# Altium PCB Temp Module B1 Sample.PcbDoc (part 1 of 3) (continued)
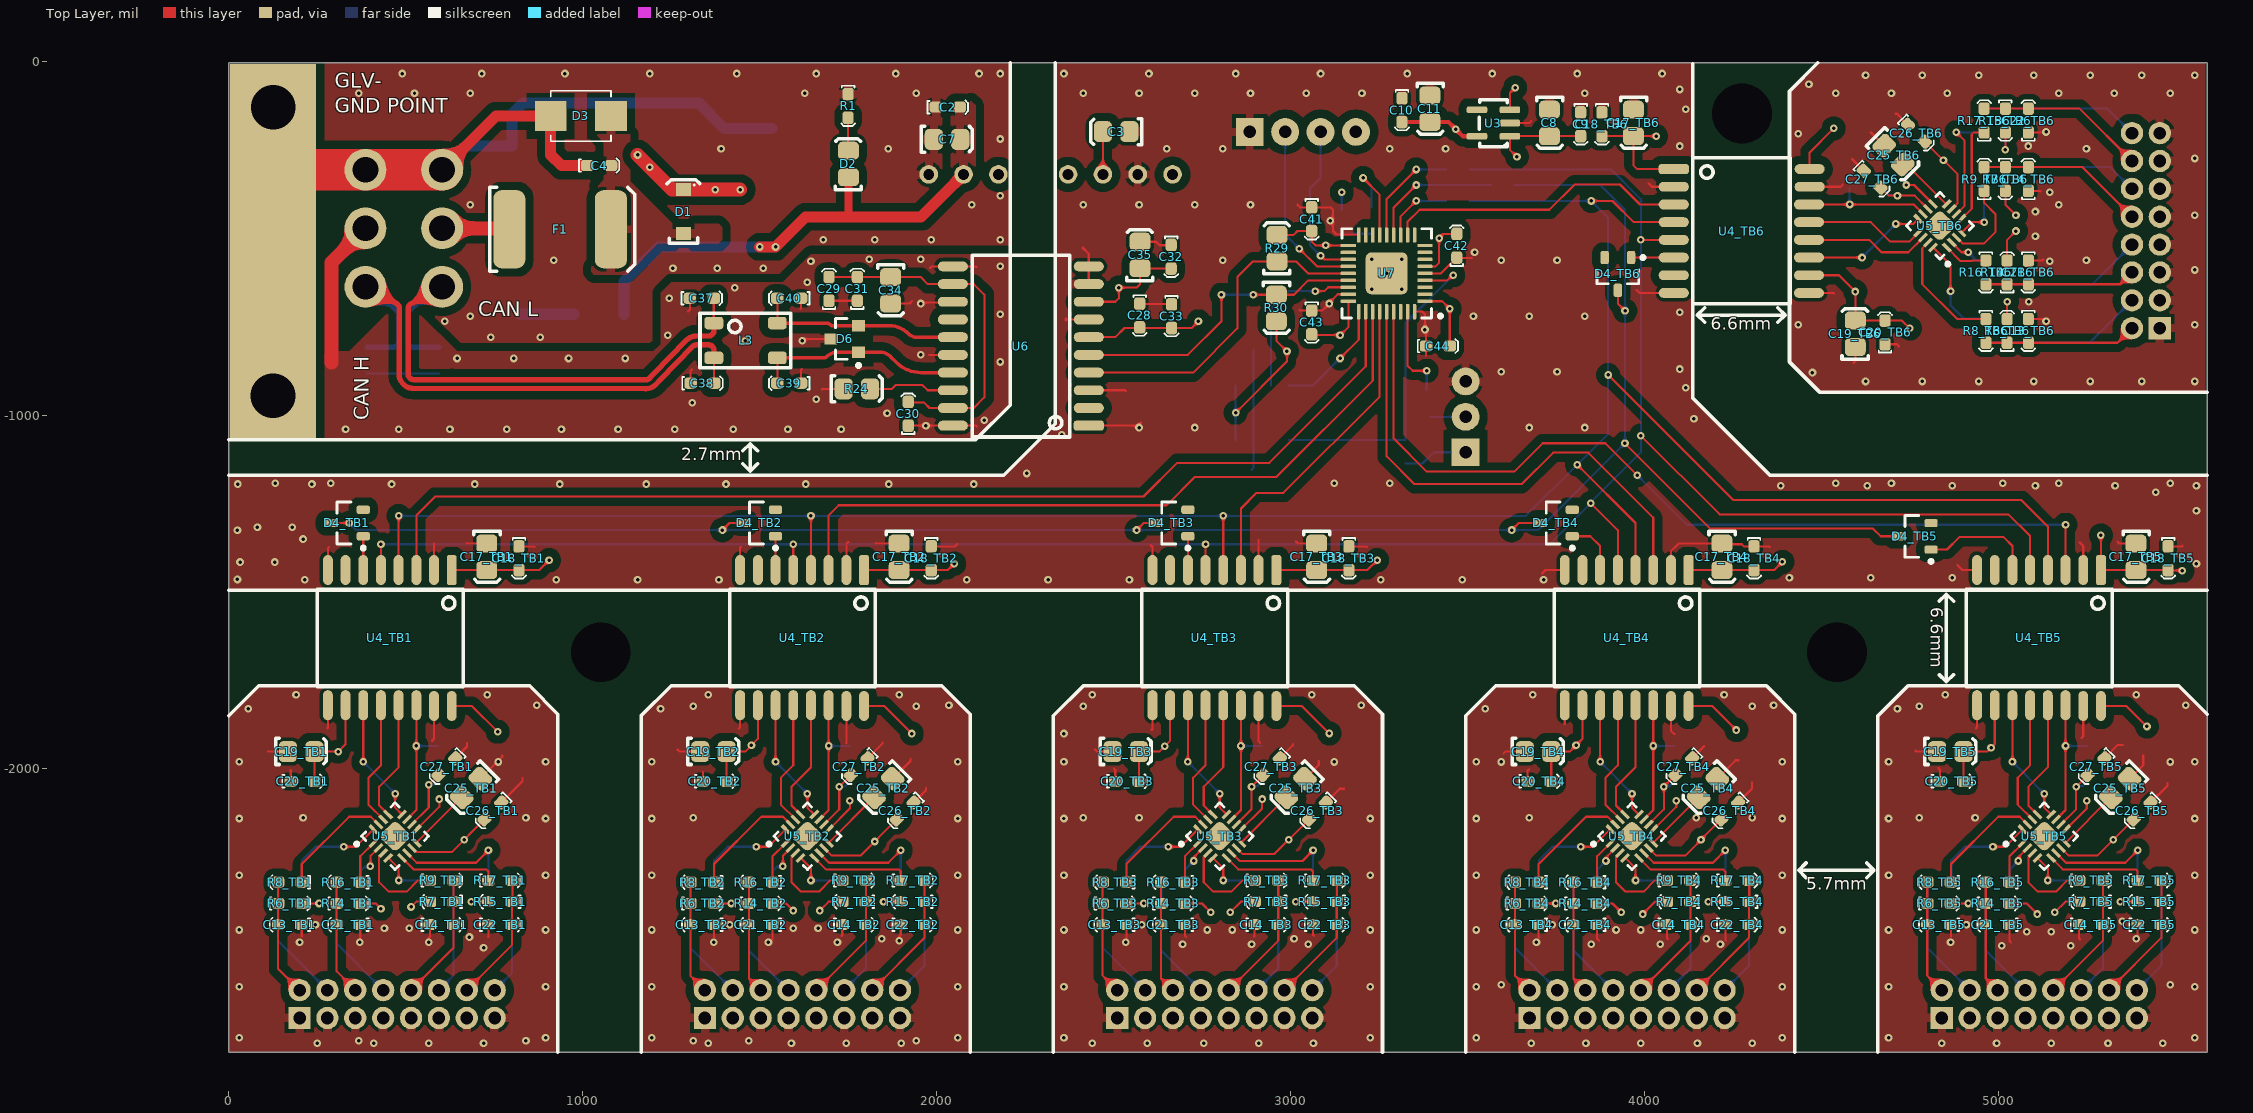
[diagram p0: Top Layer view]
## Components (designator, comment, footprint, x,y, rotation, side; value= is the part's Value field where it differs from the comment)
C1 "10uF" 0805 785,-715 r0 bottom
C2 "100nF" 0603 1998.07,-130 r0 top
C3 "22uF" 0805 2506.93,-200 r180 top
C4 "100nF" 0603 1013.07,-295 r0 top
C5 "100nF" 0603 1180,-118.07 r270 bottom
C6 "47uF" "CHEMI-CON ELCO" 1535,-294.33 r270 bottom
C7 "10uF" 0805 2030,-220 r0 top
C8 "1µF" 0805 3732.74,-175 r270 top
C9 "100nF" 0603 3820,-145 r270 top
C10 "100nF" 0603 3315,-105 r270 top
C11 "1µF" 0805 3395,-135 r270 top
C13_TB1 "100nF" 0603 206.22,-2440 r180 top (schematic designator C13)
C13_TB2 "100nF" 0603 1371.22,-2440 r180 top (schematic designator C13)
C13_TB3 "100nF" 0603 2536.22,-2440 r180 top (schematic designator C13)
C13_TB4 "100nF" 0603 3701.22,-2440 r180 top (schematic designator C13)
C13_TB5 "100nF" 0603 4866.22,-2440 r180 top (schematic designator C13)
C13_TB6 "100nF" 0603 5085,-728.78 r270 top (schematic designator C13)
C14_TB1 "100nF" 0603 568.43,-2440 r0 top (schematic designator C14)
C14_TB2 "100nF" 0603 1733.43,-2440 r0 top (schematic designator C14)
C14_TB3 "100nF" 0603 2898.43,-2440 r0 top (schematic designator C14)
C14_TB4 "100nF" 0603 4063.43,-2440 r0 top (schematic designator C14)
C14_TB5 "100nF" 0603 5228.43,-2440 r0 top (schematic designator C14)
C14_TB6 "100nF" 0603 5085,-366.57 r90 top (schematic designator C14)
C15_TB1 "100nF" 0603 206.22,-2440 r180 bottom (schematic designator C15)
C15_TB2 "100nF" 0603 1371.22,-2440 r180 bottom (schematic designator C15)
C15_TB3 "100nF" 0603 2536.22,-2440 r180 bottom (schematic designator C15)
C15_TB4 "100nF" 0603 3701.22,-2440 r180 bottom (schematic designator C15)
C15_TB5 "100nF" 0603 4866.22,-2440 r180 bottom (schematic designator C15)
C15_TB6 "100nF" 0603 5085,-728.78 r270 bottom (schematic designator C15)
C16_TB1 "100nF" 0603 568.43,-2440 r0 bottom (schematic designator C16)
C16_TB2 "100nF" 0603 1733.43,-2440 r0 bottom (schematic designator C16)
C16_TB3 "100nF" 0603 2898.43,-2440 r0 bottom (schematic designator C16)
C16_TB4 "100nF" 0603 4063.43,-2440 r0 bottom (schematic designator C16)
C16_TB5 "100nF" 0603 5228.43,-2440 r0 bottom (schematic designator C16)
C16_TB6 "100nF" 0603 5085,-366.57 r90 bottom (schematic designator C16)
C17_TB1 "1µF" 0805 730,-1401.05 r270 top (schematic designator C17)
C17_TB2 "1µF" 0805 1895,-1401.05 r270 top (schematic designator C17)
C17_TB3 "1µF" 0805 3075,-1401.05 r270 top (schematic designator C17)
C17_TB4 "1µF" 0805 4220,-1401.05 r270 top (schematic designator C17)
C17_TB5 "1µF" 0805 5390,-1401.05 r270 top (schematic designator C17)
C17_TB6 "1µF" 0805 3970,-175 r270 top (schematic designator C17)
C18_TB1 "100nF" 0603 820,-1371.05 r270 top (schematic designator C18)
C18_TB2 "100nF" 0603 1985,-1371.05 r270 top (schematic designator C18)
C18_TB3 "100nF" 0603 3165,-1371.05 r270 top (schematic designator C18)
C18_TB4 "100nF" 0603 4310,-1371.05 r270 top (schematic designator C18)
C18_TB5 "100nF" 0603 5480,-1371.05 r270 top (schematic designator C18)
C18_TB6 "100nF" 0603 3880,-145 r270 top (schematic designator C18)
C19_TB1 "1µF" 0805 205,-1950 r0 top (schematic designator C19)
C19_TB2 "1µF" 0805 1370,-1950 r0 top (schematic designator C19)
C19_TB3 "1µF" 0805 2535,-1950 r0 top (schematic designator C19)
C19_TB4 "1µF" 0805 3700,-1950 r0 top (schematic designator C19)
C19_TB5 "1µF" 0805 4865,-1950 r0 top (schematic designator C19)
C19_TB6 "1µF" 0805 4595,-770 r90 top (schematic designator C19)
C20_TB1 "100nF" 0603 175,-2035 r0 top (schematic designator C20)
C20_TB2 "100nF" 0603 1340,-2035 r0 top (schematic designator C20)
C20_TB3 "100nF" 0603 2505,-2035 r0 top (schematic designator C20)
C20_TB4 "100nF" 0603 3670,-2035 r0 top (schematic designator C20)
C20_TB5 "100nF" 0603 4835,-2035 r0 top (schematic designator C20)
C20_TB6 "100nF" 0603 4680,-800 r90 top (schematic designator C20)
C21_TB1 "100nF" 0603 371.57,-2440 r180 top (schematic designator C21)
C21_TB2 "100nF" 0603 1536.57,-2440 r180 top (schematic designator C21)
C21_TB3 "100nF" 0603 2701.57,-2440 r180 top (schematic designator C21)
C21_TB4 "100nF" 0603 3866.57,-2440 r180 top (schematic designator C21)
C21_TB5 "100nF" 0603 5031.57,-2440 r180 top (schematic designator C21)
C21_TB6 "100nF" 0603 5085,-563.43 r270 top (schematic designator C21)
C22_TB1 "100nF" 0603 733.78,-2440 r0 top (schematic designator C22)
C22_TB2 "100nF" 0603 1898.78,-2440 r0 top (schematic designator C22)
C22_TB3 "100nF" 0603 3063.78,-2440 r0 top (schematic designator C22)
C22_TB4 "100nF" 0603 4228.78,-2440 r0 top (schematic designator C22)
C22_TB5 "100nF" 0603 5393.78,-2440 r0 top (schematic designator C22)
C22_TB6 "100nF" 0603 5085,-201.22 r90 top (schematic designator C22)
C23_TB1 "100nF" 0603 371.57,-2440 r180 bottom (schematic designator C23)
C23_TB2 "100nF" 0603 1536.57,-2440 r180 bottom (schematic designator C23)
C23_TB3 "100nF" 0603 2701.57,-2440 r180 bottom (schematic designator C23)
C23_TB4 "100nF" 0603 3866.57,-2440 r180 bottom (schematic designator C23)
C23_TB5 "100nF" 0603 5031.57,-2440 r180 bottom (schematic designator C23)
C23_TB6 "100nF" 0603 5085,-563.43 r270 bottom (schematic designator C23)
C24_TB1 "100nF" 0603 733.78,-2440 r0 bottom (schematic designator C24)
C24_TB2 "100nF" 0603 1898.78,-2440 r0 bottom (schematic designator C24)
C24_TB3 "100nF" 0603 3063.78,-2440 r0 bottom (schematic designator C24)
C24_TB4 "100nF" 0603 4228.78,-2440 r0 bottom (schematic designator C24)
C24_TB5 "100nF" 0603 5393.78,-2440 r0 bottom (schematic designator C24)
C24_TB6 "100nF" 0603 5085,-201.22 r90 bottom (schematic designator C24)
C25_TB1 "1µF" 0805 685,-2055 r225 top (schematic designator C25)
C25_TB2 "1µF" 0805 1850,-2055 r225 top (schematic designator C25)
C25_TB3 "1µF" 0805 3015,-2055 r225 top (schematic designator C25)
C25_TB4 "1µF" 0805 4180,-2055 r225 top (schematic designator C25)
C25_TB5 "1µF" 0805 5345,-2055 r225 top (schematic designator C25)
C25_TB6 "1µF" 0805 4705,-265 r315 top (schematic designator C25)
C26_TB1 "100nF" 0603 770,-2095 r225 top (schematic designator C26)
C26_TB2 "100nF" 0603 1935,-2095 r225 top (schematic designator C26)
C26_TB3 "100nF" 0603 3100,-2095 r225 top (schematic designator C26)
C26_TB4 "100nF" 0603 4265,-2095 r225 top (schematic designator C26)
C26_TB5 "100nF" 0603 5430,-2095 r225 top (schematic designator C26)
C26_TB6 "100nF" 0603 4745,-180 r315 top (schematic designator C26)
C27_TB1 "100nF" 0603 640,-1970 r225 top (schematic designator C27)
C27_TB2 "100nF" 0603 1805,-1970 r225 top (schematic designator C27)
C27_TB3 "100nF" 0603 2970,-1970 r225 top (schematic designator C27)
C27_TB4 "100nF" 0603 4135,-1970 r225 top (schematic designator C27)
C27_TB5 "100nF" 0603 5300,-1970 r225 top (schematic designator C27)
C27_TB6 "100nF" 0603 4620,-310 r315 top (schematic designator C27)
C28 "10nF" 0603 2573.97,-685.2 r270 top
C29 "100nF" 0603 1696.03,-676.93 r90 top
C30 "10nF" 0603 1920,-1030 r90 top
C31 "100nF" 0603 1776.03,-676.93 r90 top
C32 "100nF" 0603 2662.9,-519.13 r270 top
C33 "100nF" 0603 2663.97,-687.13 r270 top
C34 "10uF" 0805 1871.03,-647.87 r270 top
C35 "10uF" 0805 2573.97,-547.13 r90 top
C36 "22pF" 0603 495,-949.8 r90 bottom
C37 "100pF" 0603 1303.07,-670 r0 top
C38 "100pF" 0603 1305,-910 r0 top
C39 "100pF" 0603 1616.93,-910 r180 top
C40 "100pF" 0603 1616.93,-670 r180 top
C41 "100nF" 0603 3060,-413.07 r270 top
C42 "100nF" 0603 3470,-555 r90 top
C43 "100nF" 0603 3060,-705 r270 top
C44 "100nF" 0603 3383.07,-805 r0 top
D1 "PMEG100T10ELR-QX" SODFL350X110-2N 1285,-425 r270 top
D2 "Red" "0805 LED" 1750,-290 r90 top
D3 "SM6T39CAY" SM6T39CAY-Footprint-1 994.76,-155 r0 top
D4_TB1 "BAS-21" NEXPERIA_SOT23 333.74,-1305 r180 top (schematic designator D4)
D4_TB2 "BAS-21" NEXPERIA_SOT23 1498.74,-1305 r180 top (schematic designator D4)
D4_TB3 "BAS-21" NEXPERIA_SOT23 2663.74,-1305 r180 top (schematic designator D4)
D4_TB4 "BAS-21" NEXPERIA_SOT23 3750,-1305 r180 top (schematic designator D4)
D4_TB5 "BAS-21" NEXPERIA_SOT23 4763.74,-1342.6 r180 top (schematic designator D4)
D4_TB6 "BAS-21" NEXPERIA_SOT23 3925,-601.26 r270 top (schematic designator D4)
D6 "NUP2105L" ONSC-SOT-23-3-318-08_V 1740,-785 r180 top
D7 "Yellow" "0805 LED" 3230,-450 r90 bottom
F1 "0ZCF0100AF2A" 2920 792.6,-475 r0 top
L1 "12uH" 1812 1045.87,-715 r180 bottom
L3 "B82787C0104H002" "TDK 4-PC Pad" 1370.87,-740 r0 top value="100µH @ 100kHz"
P1 "Header 2x8" B16B-PHDSS 200.04,-2703.74 r180 bottom
P2 "Header 2x8" B16B-PHDSS 1345.41,-2703.74 r180 bottom
P3 "6-Pin Molex Mini-Fit" "6-Pin Molex Mini-Fit" 480,-485 r270 bottom
P4 "Header 2x8" B16B-PHDSS 2510.41,-2703.74 r180 bottom
P5 "Header 2x8" B16B-PHDSS 3675.41,-2703.74 r180 bottom
P6 "Header 2x8" B16B-PHDSS 4840.41,-2703.74 r180 bottom
P7 "Header 2x8" B16B-PHDSS 5456.54,-754.59 r270 bottom
P8 "1.27mm" 3221-10-0300-00 2895,-993.23 r180 bottom
P9 "2.54mm" "TH 2.54mm Header 1x4" 2885,-200 r0 bottom locked
P10 "2.54mm" "TH 2.54mm Header 1x3" 3495,-1105 r90 bottom
R1 "2K" 0603 1750,-93.07 r270 top
R2 "10R" 0603 3438.98,-306.1 r0 bottom
R3 "10R" 0603 3565.94,-349.41 r0 bottom
R4 "10R" 0603 3438.98,-394.68 r0 bottom
R6_TB1 "680R" 0603 139.29,-2380 r0 top (schematic designator R6)
R6_TB2 "680R" 0603 1304.29,-2380 r0 top (schematic designator R6)
R6_TB3 "680R" 0603 2469.29,-2380 r0 top (schematic designator R6)
R6_TB4 "680R" 0603 3634.29,-2380 r0 top (schematic designator R6)
R6_TB5 "680R" 0603 4799.29,-2380 r0 top (schematic designator R6)
R6_TB6 "680R" 0603 5025,-795.71 r90 top (schematic designator R6)
R7_TB1 "680R" 0603 635.35,-2375 r180 top (schematic designator R7)
R7_TB2 "680R" 0603 1800.35,-2375 r180 top (schematic designator R7)
R7_TB3 "680R" 0603 2965.35,-2375 r180 top (schematic designator R7)
R7_TB4 "680R" 0603 4130.35,-2375 r180 top (schematic designator R7)
R7_TB5 "680R" 0603 5295.35,-2375 r180 top (schematic designator R7)
R7_TB6 "680R" 0603 5020,-299.65 r270 top (schematic designator R7)
R8_TB1 "1k" 0603 206.22,-2320 r180 top (schematic designator R8)
R8_TB2 "1k" 0603 1371.22,-2320 r180 top (schematic designator R8)
R8_TB3 "1k" 0603 2536.22,-2320 r180 top (schematic designator R8)
R8_TB4 "1k" 0603 3701.22,-2320 r180 top (schematic designator R8)
R8_TB5 "1k" 0603 4866.22,-2320 r180 top (schematic designator R8)
R8_TB6 "1k" 0603 4965,-728.78 r270 top (schematic designator R8)
R9_TB1 "1k" 0603 568.43,-2315 r0 top (schematic designator R9)
R9_TB2 "1k" 0603 1733.43,-2315 r0 top (schematic designator R9)
R9_TB3 "1k" 0603 2898.43,-2315 r0 top (schematic designator R9)
R9_TB4 "1k" 0603 4063.43,-2315 r0 top (schematic designator R9)
R9_TB5 "1k" 0603 5228.43,-2315 r0 top (schematic designator R9)
R9_TB6 "1k" 0603 4960,-366.57 r90 top (schematic designator R9)
R10_TB1 "680R" 0603 140,-2380 r0 bottom (schematic designator R10)
R10_TB2 "680R" 0603 1305,-2380 r0 bottom (schematic designator R10)
R10_TB3 "680R" 0603 2470,-2380 r0 bottom (schematic designator R10)
R10_TB4 "680R" 0603 3635,-2380 r0 bottom (schematic designator R10)
R10_TB5 "680R" 0603 4800,-2380 r0 bottom (schematic designator R10)
R10_TB6 "680R" 0603 5025,-795 r90 bottom (schematic designator R10)
R11_TB1 "680R" 0603 635.35,-2375 r180 bottom (schematic designator R11)
R11_TB2 "680R" 0603 1800.35,-2375 r180 bottom (schematic designator R11)
R11_TB3 "680R" 0603 2965.35,-2375 r180 bottom (schematic designator R11)
R11_TB4 "680R" 0603 4130.35,-2375 r180 bottom (schematic designator R11)
R11_TB5 "680R" 0603 5295.35,-2375 r180 bottom (schematic designator R11)
R11_TB6 "680R" 0603 5020,-299.65 r270 bottom (schematic designator R11)
R12_TB1 "1k" 0603 206.93,-2320 r180 bottom (schematic designator R12)
R12_TB2 "1k" 0603 1371.93,-2320 r180 bottom (schematic designator R12)
R12_TB3 "1k" 0603 2536.93,-2320 r180 bottom (schematic designator R12)
R12_TB4 "1k" 0603 3701.93,-2320 r180 bottom (schematic designator R12)
R12_TB5 "1k" 0603 4866.93,-2320 r180 bottom (schematic designator R12)
R12_TB6 "1k" 0603 4965,-728.07 r270 bottom (schematic designator R12)
R13_TB1 "1k" 0603 568.43,-2315 r0 bottom (schematic designator R13)
R13_TB2 "1k" 0603 1733.43,-2315 r0 bottom (schematic designator R13)
R13_TB3 "1k" 0603 2898.43,-2315 r0 bottom (schematic designator R13)
R13_TB4 "1k" 0603 4063.43,-2315 r0 bottom (schematic designator R13)
R13_TB5 "1k" 0603 5228.43,-2315 r0 bottom (schematic designator R13)
R13_TB6 "1k" 0603 4960,-366.57 r90 bottom (schematic designator R13)
R14_TB1 "680R" 0603 304.65,-2380 r0 top (schematic designator R14)
R14_TB2 "680R" 0603 1469.65,-2380 r0 top (schematic designator R14)
R14_TB3 "680R" 0603 2634.65,-2380 r0 top (schematic designator R14)
R14_TB4 "680R" 0603 3799.65,-2380 r0 top (schematic designator R14)
R14_TB5 "680R" 0603 4964.65,-2380 r0 top (schematic designator R14)
R14_TB6 "680R" 0603 5025,-630.35 r90 top (schematic designator R14)
R15_TB1 "680R" 0603 800.71,-2375 r180 top (schematic designator R15)
R15_TB2 "680R" 0603 1965.71,-2375 r180 top (schematic designator R15)
R15_TB3 "680R" 0603 3130.71,-2375 r180 top (schematic designator R15)
R15_TB4 "680R" 0603 4295.71,-2375 r180 top (schematic designator R15)
R15_TB5 "680R" 0603 5460.71,-2375 r180 top (schematic designator R15)
R15_TB6 "680R" 0603 5020,-134.29 r270 top (schematic designator R15)
R16_TB1 "1k" 0603 371.57,-2320 r180 top (schematic designator R16)
R16_TB2 "1k" 0603 1536.57,-2320 r180 top (schematic designator R16)
R16_TB3 "1k" 0603 2701.57,-2320 r180 top (schematic designator R16)
R16_TB4 "1k" 0603 3866.57,-2320 r180 top (schematic designator R16)
R16_TB5 "1k" 0603 5031.57,-2320 r180 top (schematic designator R16)
R16_TB6 "1k" 0603 4965,-563.43 r270 top (schematic designator R16)
R17_TB1 "1k" 0603 733.78,-2315 r0 top (schematic designator R17)
R17_TB2 "1k" 0603 1898.78,-2315 r0 top (schematic designator R17)
R17_TB3 "1k" 0603 3063.78,-2315 r0 top (schematic designator R17)
R17_TB4 "1k" 0603 4228.78,-2315 r0 top (schematic designator R17)
R17_TB5 "1k" 0603 5393.78,-2315 r0 top (schematic designator R17)
R17_TB6 "1k" 0603 4960,-201.22 r90 top (schematic designator R17)
R18_TB1 "680R" 0603 304.65,-2380 r0 bottom (schematic designator R18)
R18_TB2 "680R" 0603 1469.65,-2380 r0 bottom (schematic designator R18)
R18_TB3 "680R" 0603 2634.65,-2380 r0 bottom (schematic designator R18)
R18_TB4 "680R" 0603 3799.65,-2380 r0 bottom (schematic designator R18)
R18_TB5 "680R" 0603 4964.65,-2380 r0 bottom (schematic designator R18)
R18_TB6 "680R" 0603 5025,-630.35 r90 bottom (schematic designator R18)
R19_TB1 "680R" 0603 800.71,-2375 r180 bottom (schematic designator R19)
R19_TB2 "680R" 0603 1965.71,-2375 r180 bottom (schematic designator R19)
R19_TB3 "680R" 0603 3130.71,-2375 r180 bottom (schematic designator R19)
R19_TB4 "680R" 0603 4295.71,-2375 r180 bottom (schematic designator R19)
R19_TB5 "680R" 0603 5460.71,-2375 r180 bottom (schematic designator R19)
R19_TB6 "680R" 0603 5020,-134.29 r270 bottom (schematic designator R19)
R20_TB1 "1k" 0603 371.75,-2320.18 r180 bottom (schematic designator R20)
R20_TB2 "1k" 0603 1536.75,-2320.18 r180 bottom (schematic designator R20)
R20_TB3 "1k" 0603 2701.75,-2320.18 r180 bottom (schematic designator R20)
R20_TB4 "1k" 0603 3866.75,-2320.18 r180 bottom (schematic designator R20)
R20_TB5 "1k" 0603 5031.75,-2320.18 r180 bottom (schematic designator R20)
R20_TB6 "1k" 0603 4965.18,-563.25 r270 bottom (schematic designator R20)
R21_TB1 "1k" 0603 733.78,-2315 r0 bottom (schematic designator R21)
R21_TB2 "1k" 0603 1898.78,-2315 r0 bottom (schematic designator R21)
R21_TB3 "1k" 0603 3063.78,-2315 r0 bottom (schematic designator R21)
R21_TB4 "1k" 0603 4228.78,-2315 r0 bottom (schematic designator R21)
R21_TB5 "1k" 0603 5393.78,-2315 r0 bottom (schematic designator R21)
R21_TB6 "1k" 0603 4960,-201.22 r90 bottom (schematic designator R21)
R22_TB1 "1.2k" 0603 590,-1935 r270 bottom (schematic designator R22)
R22_TB2 "1.2k" 0603 1755,-1935 r270 bottom (schematic designator R22)
R22_TB3 "1.2k" 0603 2920,-1935 r270 bottom (schematic designator R22)
R22_TB4 "1.2k" 0603 4085,-1935 r270 bottom (schematic designator R22)
R22_TB5 "1.2k" 0603 5250,-1935 r270 bottom (schematic designator R22)
R22_TB6 "1.2k" 0603 4580,-360 r0 bottom (schematic designator R22)
R23 "56R" 0805 595,-845 r90 bottom
R24 "0R" 0805 1775,-925 r0 top
R25 "56R" 0805 390,-845.94 r270 bottom
R26 "500R" 0603 3145,-487.87 r90 bottom
R29 "5.1k" 0805 2961.03,-527.87 r90 top
R30 "5.1k" 0805 2961.03,-697.87 r270 top
R31 "10k" 0603 3325,-1070 r270 bottom
R32 "10k" 0603 3385,-1005 r90 bottom
U1 "744272121" "Wurth 4-PC Pad" 800.12,-540 r90 bottom value="120uH @ 100kHz"
U2 "SPBW06F-03" SPBW06F03 1977.87,-320 r0 bottom
U3 "TLV70033-Q1" "TI SOT-23-5" 3620,-212.4 r90 top
U4_TB1 "ADUM5401" "AD 16-SOIC" 405,-1630 r180 top (schematic designator U4)
U4_TB2 "ADUM5401" "AD 16-SOIC" 1570,-1630 r180 top (schematic designator U4)
U4_TB3 "ADUM5401" "AD 16-SOIC" 2735,-1630 r180 top (schematic designator U4)
U4_TB4 "ADUM5401" "AD 16-SOIC" 3900,-1630 r180 top (schematic designator U4)
U4_TB5 "ADUM5401" "AD 16-SOIC" 5065,-1630 r180 top (schematic designator U4)
U4_TB6 "ADUM5401" "AD 16-SOIC" 4275,-530 r270 top (schematic designator U4)
U5_TB1 "ADS7028" WFQN-16 470,-2190 r45 top (schematic designator U5)
U5_TB2 "ADS7028" WFQN-16 1635,-2190 r45 top (schematic designator U5)
U5_TB3 "ADS7028" WFQN-16 2800,-2190 r45 top (schematic designator U5)
U5_TB4 "ADS7028" WFQN-16 3965,-2190 r45 top (schematic designator U5)
U5_TB5 "ADS7028" WFQN-16 5130,-2190 r45 top (schematic designator U5)
U5_TB6 "ADS7028" WFQN-16 4835,-465 r135 top (schematic designator U5)
U6 "ADM3053" "AD SOIC-W 20" 2237.98,-805 r90 top
U7 "STM32F103T8U6" STM_QFN-36 3271.73,-599.69 r180 top

## Footprints (in the part's own frame and the unit in brackets; to place one, negate y for a bottom-side part, rotate by r counter-clockwise, add the part's x,y. Pads: shape width x height; smd on the part's side, far side on the other; paste and mask are expansions set on the pad)
"6-Pin Molex Mini-Fit" [mm] "6-Pin Molex Mini-Fit Connector Header 6 pin mini fit"
  round 3 hole 1.85: 1(3.881,-3.119) 2(-0.319,-3.119) 3(-4.519,-3.119) 4(3.881,2.381) 5(-0.319,2.381) 6(-4.519,2.381)
  body extent -7.59,-5.42 7.01,5.58, height 12.8
0603 [mm]
  rrect50% 0.9x0.8 smd: 1(0,0) 2(1.7,0)
  silkscreen extent -0.6,-0.5 2.3,0.5, body extent 0.05,-0.42 1.65,0.43, height 0.6
0805 [mil]
  rrect50% 51.18x59.06 smd: 1(-37.87,-1.03) 2(36.93,-1.03)
  silkscreen extent -73,-37 71,37, body extent -39,-26 39,26, height 29
"0805 LED" [mil]
  rrect50% 51.18x59.06 smd: A(-37.87,-1.03) K(36.93,-1.03)
  silkscreen extent -73,-37 71,37, body extent -43,-25 36,25, height 39
1812 [mm]
  rrect50% 2.2x3.5 smd: 1(-1.8,0) 2(1.8,0)
  silkscreen extent -3.25,-1.75 3.25,1.75, body extent -2.25,-1.6 2.25,1.6, height 2.5
2920 [mm]
  rrect50% 2.3x5.6 smd: 1(0,0) 2(7.3,0)
  silkscreen extent -1.4,-3 9,3, body extent -0.34,-2.81 7.64,2.81, height 1.14
3221-10-0300-00 [mm]
  rrect50% 0.76x3 smd: 1(-2.54,-1.95) 2(-2.54,1.95) 3(-1.27,-1.95) 4(-1.27,1.95) 6(0,1.95) 7(1.27,-1.95) 8(1.27,1.95) 9(2.54,-1.95) 10(2.54,1.95)
  rect 0.76x2.4 smd: 5(0,-1.95)
  silkscreen extent -6.35,-3.6 6.35,2.55, body extent -6.34,-2.8 6.36,2.8, height 5.25
"AD 16-SOIC" [mil]
  rrect50% 28x85 smd: 1(-225,-192.02)
  oval 28x85 smd: 2(-175,-192.02) 3(-125,-192.02) 4(-75,-192.02) 5(-25,-192.02) 6(25,-192.02) 7(75,-192.02) 8(125,-192.02) 9(125,190) 10(75,189.96) 11(25,189.96) 12(-25,189.96) 13(-75,189.96) 14(-125,189.96) 15(-175,191.98) 16(-225,191.98)
  silkscreen extent -257,-138 155,138, body extent -256,-209 156,209, height 104
"AD SOIC-W 20" [mil]
  rrect50% 28x85 smd: 1(-225,-192.02)
  oval 28x85 smd: 2(-175,-192.02) 3(-125,-192.02) 4(-75,-192.02) 5(-25,-192.02) 6(25,-192.02) 7(75,-192.02) 8(125,-192.02) 9(175,-192.02) 10(225,-192.02) 11(225,192.02) 12(175,191.98) 13(125,191.98) 14(75,191.98) 15(25,191.98) 16(-25,191.98) 17(-75,191.98) 18(-125,191.98) 19(-175,191.98) 20(-225,191.98)
  silkscreen extent -257,-138 256,138, body extent -260,-210 260,210, height 105
B16B-PHDSS [mm]
  rect 1.35x1.35 / inner round 1.35 / far side rect 1.6x1.6 hole 0.9: 1(0,0)
  round 1.35 / inner round 1.35 / far side round 1.6 hole 0.9: 2(0,2) 3(-2,0) 4(-2,2) 5(-4,0) 6(-4,2) 7(-6,0) 8(-6,2) 9(-8,0) 10(-8,2) 11(-10,0) 12(-10,2) 13(-12,0) 14(-12,2) 15(-14,0) 16(-14,2)
  silkscreen extent -15.95,-1.5 1.95,3.5, body extent -15.95,-1.5 1.95,3.5, height 6.5
"CHEMI-CON ELCO" [mm]
  rect 3.55x1.85 smd: 1(-2.65,0) 2(2.65,0)
  silkscreen extent -4.43,-3.3 3.3,3.3, body extent -3.7,-3.4 3.7,3.4, height 6.1
NEXPERIA_SOT23 [mm]
  rrect50% 0.95x0.6 smd: 2(-1.175,-0.95) A(-1.175,0.95) K(1.175,0)
  silkscreen extent -1.3,-1.5 0.7,1.92, body extent -1.33,-1.5 1.33,1.5, height 1.1
ONSC-SOT-23-3-318-08_V [mm] "SOT23, 3-Leads, Body 2.92x1.3mm, Pitch 0.95mm"
  rect 0.9x0.8 smd: 1(-1,0.95) 2(-1,-0.95) 3(1,0)
  silkscreen extent -1.13,-1.46 0.65,2.02, body extent -0.65,-1.46 0.65,1.46, height 1.11
SM6T39CAY-Footprint-1 [mm]
  rect 2.28x2.12 smd: A(2.165,0) K(-2.165,0)
  silkscreen extent -2.16,-1.81 2.16,1.81, body extent -2.79,-1.98 2.79,1.98, height 2.64
SODFL350X110-2N [mm] "SODFL, 2-Leads, Body 1.70x3.50mm, IPC Medium Density"
  rect 0.95x1.1 smd: A(1.575,0) K(-1.575,0)
  silkscreen extent -2.29,-1.19 2.28,1.18, body extent -1.75,-0.95 1.75,0.95, height 1.1
SPBW06F03 [mm]
  round 1.337 hole 0.78: 1(0,0) 2(2.5,0) 3(5,0) 5(10,0) 6(12.5,0) 7(15,0) 8(17.5,0)
  silkscreen extent -2,-5.7 19.8,5.05, body extent -2,-5.7 19.8,3.5, height 11.2
STM_QFN-36 [mm]
  rrect50% 1.1x0.25 smd: 1(-2.75,2) 2(-2.75,1.5) 3(-2.75,1) 4(-2.75,0.5) 5(-2.75,0) 6(-2.75,-0.5) 7(-2.75,-1) 8(-2.75,-1.5) 9(-2.75,-2) 19(2.75,-2) 20(2.75,-1.5) 21(2.75,-1) 22(2.75,-0.5) 23(2.75,0) 24(2.75,0.5) 25(2.75,1) 26(2.75,1.5) 27(2.75,2)
  rrect50% 0.25x1.1 smd: 10(-2,-2.75) 11(-1.5,-2.75) 12(-1,-2.75) 13(-0.5,-2.75) 14(0,-2.75) 15(0.5,-2.75) 16(1,-2.75) 17(1.5,-2.75) 18(2,-2.75) 28(2,2.75) 29(1.5,2.75) 30(1,2.75) 31(0.5,2.75) 32(0,2.75) 33(-0.5,2.75) 34(-1,2.75) 35(-1.5,2.75) 36(-2,2.75)
  rrect25% 3x3 smd: 37(0,0)
  silkscreen extent -3.99,-3.21 3.21,3.21, body extent -3.08,-3.08 3.08,3.08, height 1
"TDK 4-PC Pad" [mm]
  rrect50% 1.35x0.9 smd: 1(0,-2.5) 2(0,0) 3(4.55,0) 4(4.55,-2.5)
  silkscreen extent -1,-3.2 5.5,0.7, body extent -0.02,-2.82 4.48,0.38, height 2.8
"TH 2.54mm Header 1x3" [mm]
  rect 1.5x1.5 / inner rect 1.5x1.5 / far side rect 2x2 hole 0.9: 1(0,0)
  round 1.5 / inner round 1.5 / far side round 2 hole 0.9: 2(2.54,0) 3(5.08,0)
  silkscreen extent -1.27,-1.27 6.35,1.27, body extent -1.27,-1.27 6.35,1.27, height 9.5
"TH 2.54mm Header 1x4" [mm]
  rect 1.5x1.5 / inner rect 1.5x1.5 / far side rect 2x2 hole 0.9: 1(0,0)
  round 1.5 / inner round 1.5 / far side round 2 hole 0.9: 2(2.54,0) 3(5.08,0) 4(7.62,0)
  silkscreen extent -1.27,-1.27 8.89,1.27, body extent -1.27,-1.27 8.89,1.27, height 9.5
"TI SOT-23-5" [mil]
  rrect50% 19x58 smd: 1(0,0) 2(37.4,0) 3(74.8,0) 4(74.8,93) 5(0,93)
  silkscreen extent -30,8 103,86, body extent -23,-12 97,106, height 57
WFQN-16 [mm]
  rect 0.8x0.25 smd: 1(-1.45,0.75) 2(-1.45,0.25) 3(-1.45,-0.25) 4(-1.45,-0.75) 9(1.45,-0.75) 10(1.45,-0.25) 11(1.45,0.25) 12(1.45,0.75)
  rect 0.25x0.8 smd: 5(-0.75,-1.45) 6(-0.25,-1.45) 7(0.25,-1.45) 8(0.75,-1.45) 13(0.75,1.45) 14(0.25,1.45) 15(-0.25,1.45) 16(-0.75,1.45)
  rrect50% 1.68x1.68 smd: 17(0,0)
  silkscreen extent -2.47,-1.7 1.7,1.7, body extent -1.6,-1.6 1.6,1.6, height 0.8
"Wurth 4-PC Pad" [mm]
  rrect50% 2.7x2.7 smd: 1(7.62,6.22) 2(0,6.22) 3(0,0) 4(7.62,0)
  silkscreen extent -1.7,-1.8 9.4,8, body extent -1.19,-1.24 8.81,7.46, height 6.2

## Part data
C1 C7 C34 C35: library part GRM21BR6YA106KE43L, Digikey Part Number=490-10514-6-ND, Manufacturer=muRata, Rated Voltage=50V, Temperature Rating=X5R, Tolerance=10%, Material=MLCC, Part Number=GRM21BR6YA106KE43L
C2 C4 C5 C9 C10 C13_TB1 C13_TB2 C13_TB3 C13_TB4 C13_TB5 C13_TB6 C14_TB1 C14_TB2 C14_TB3 C14_TB4 C14_TB5 C14_TB6 C15_TB1 C15_TB2 C15_TB3 C15_TB4 C15_TB5 C15_TB6 C16_TB1 C16_TB2 C16_TB3 C16_TB4 C16_TB5 C16_TB6 C18_TB1 C18_TB2 C18_TB3 C18_TB4 C18_TB5 C18_TB6 C20_TB1 C20_TB2 C20_TB3 C20_TB4 C20_TB5 C20_TB6 C21_TB1 C21_TB2 C21_TB3 C21_TB4 C21_TB5 C21_TB6 C22_TB1 C22_TB2 C22_TB3 C22_TB4 C22_TB5 C22_TB6 C23_TB1 C23_TB2 C23_TB3 C23_TB4 C23_TB5 C23_TB6 C24_TB1 C24_TB2 C24_TB3 C24_TB4 C24_TB5 C24_TB6 C26_TB1 C26_TB2 C26_TB3 C26_TB4 C26_TB5 C26_TB6 C27_TB1 C27_TB2 C27_TB3 C27_TB4 C27_TB5 C27_TB6 C29 C31 C32 C33 C41 C42 C43 C44: library part GCM188L81H104KA57D, Digikey Part Number=490-6049-1-ND, Manufacturer=muRata, Rated Voltage=50V, Temperature Rating=X8L, Tolerance=±10%, Material=MLCC, Part Number=GCM188L81H104KA57D
C3: library part GRM21BR61A226ME51L, Digikey Part Number=490-10511-1-ND, Manufacturer=muRata, Rated Voltage=10V, Temperature Rating=X5R, Tolerance=20%, Material=MLCC, Part Number=GRM21BR61A226ME51L
C6: library part HHXA350ARA470MF61G, Part Number=HHXA350ARA470MF61G
C8 C11 C17_TB1 C17_TB2 C17_TB3 C17_TB4 C17_TB5 C17_TB6 C19_TB1 C19_TB2 C19_TB3 C19_TB4 C19_TB5 C19_TB6 C25_TB1 C25_TB2 C25_TB3 C25_TB4 C25_TB5 C25_TB6: library part GCM21BR71H105KA03L, Digikey Part Number=490-10675-1-ND, Manufacturer=muRata, Rated Voltage=50V, Temperature Rating=X7R, Tolerance=±10%, Material=MLCC, Part Number=GCM21BR71H105KA03L
C28 C30: library part GCM188L81H103KA03D, Digikey Part Number=490-GCM188L81H103KA03DCT-ND, Manufacturer=muRata, Rated Voltage=50V, Temperature Rating=X8L, Tolerance=±10%, Material=MLCC, Part Number=GCM188L81H103KA03D
C36: library part GRM0335C1H220JA01D, Digikey Part Number=490-6123-1-ND, Manufacturer="Murata Electronics", Rated Voltage=50V, Temperature Rating="C0G, NP0", Tolerance=±5%, Material=MLCC, Part Number=GRM0335C1H220JA01D
C37 C38 C39 C40: library part GRM1885C1H101JA01D, Digikey Part Number=490-1427-1-ND, Manufacturer="Murata Electronics", Rated Voltage=50V, Temperature Rating="C0G, NP0", Tolerance=±5%, Material=MLCC, Part Number=GRM1885C1H101JA01D
D1: library part CMP-004-00005-4, "Diode 100 V 1A Surface Mount SOD-123W"
D2: library part SML-210LTT86, "Red LED Indication - Discrete 1.75V 0805 (2012 Metric)", Digikey Part Number=511-1286-1-ND, Manufacturer="ROHM Semiconductor", Colour=Red, Part Number=SML-210LTT86
D3: library part CMP-004-00003-4, "TVS Diode Single Bi-Dir 33.3V 600W Automotive 2-Pin SMB T/R / TVS DIODE 33.3VWM 69.7VC SMB", Breakdown Voltage=39V, Case/Package=DO-214AA, Clamping Voltage=53.9V, Leakage Current=200nA, Max Breakdown Voltage=41V, Max Operating Temperature=150°C, Max Power Dissipation=600W, Max Surge Current=11.1A, Min Breakdown Voltage=37.1V, Min Operating Temperature=-55°C, Operating Supply Voltage=30V, Package Quantity=1, Peak Pulse Current=57A, Power Line Protection=No, Resistor Type=Zener, Reverse Standoff Voltage=33.3V, Test Current=1mA, Diode Type=ZENER, Direction=Bidirectional, Element Configuration=Single, Height=2.45mm, Length=4.6mm, Max Reverse Leakage Current=200nA, Mount="Surface Mount", Number of Bidirectional Channels=1, Number of Channels=1, Number of Elements=1, Number of Pins=2, Packaging="Tape and Reel", Peak Pulse Power=600W, Polarity=Bidirectional, Radiation Hardening=No, REACH SVHC="No SVHC", Reverse Breakdown Voltage=37.1V, RoHS Compliant=Yes, Series="Automotive, AEC-Q101, SM6TY, TRANSIL™", Termination=SMD/SMT, Width=3.95mm
D4_TB1 D4_TB2 D4_TB3 D4_TB4 D4_TB5 D4_TB6: Breakdown Voltage=250V, Forward Voltage=1.0V, Manufacturer="Nexperia USA Inc.", Rated Power=250mW, Part Number=BAS-21
D6: library part CMP-004-00000-1, "NUP2105L Series 350 W Dual Line CAN Bus Protector ESD Protection Diode - SOT-23", Breakdown Voltage=26.2V, Capacitance=30pF, Case/Package=SOT-23-3, Clamping Voltage=44V, Leakage Current=100nA, Max Breakdown Voltage=32V, Max Operating Temperature=150°C, Max Power Dissipation=350W, Max Surge Current=8A, Min Operating Temperature=-55°C, Operating Supply Voltage=24V, Package Quantity=1, Power Line Protection=No, Resistor Type=Zener, Test Current=1mA, Clamping Voltage-Max=44V, Contact Plating=Tin,Matte, Depth=1.3mm, Diode Type=ZENER, Direction=Bidirectional, Element Configuration=Dual, ESD Protection=Yes, Halogen Free="Halogen Free", Height=0.94mm, Lead Free="Lead Free", Length=2.9mm, Max Reverse Leakage Current=100nA, Min Breakdown Voltage=26.2V, Number of Bidirectional Channels=2, Number of Channels=2, Number of Lines=2, Number of Pins=3, Packaging="Tape and Reel", Peak Pulse Current=8A, Peak Pulse Power=350W, Polarity=Bidirectional, Radiation Hardening=No, REACH SVHC="No SVHC", Reverse Standoff Voltage=24V, RoHS Compliant=Yes, Series="Automotive, AEC-Q101", Termination=SMD/SMT, Width=1.3mm, Working Voltage=24V
D7: library part SML-211YTT86, "Yellow LED Indication - Discrete 1.75V 0805 (2012 Metric)", Digikey Part Number=511-1293-1-ND, Manufacturer="ROHM Semiconductor", Colour=Yellow, Part Number=SML-211YTT86
F1: "PTC RESET FUSE 60V 1A 292", Digikey Part Number=507-2070-1-ND, Manufacturer="Littelfuse Inc.", Digikey Link=https://www.digikey.com/product-detail/en/bel-fuse-inc/0ZCF0100AF2A/507-2070-1-ND/6210547, Part Number=0ZCF0100AF2A
L1: library part RLS-126, Digikey Part Number=945-3429-ND, Manufacturer=Recom, Rated Current="0.8 A", Tolerance=0.2, Impedance=230mOhm, Material=Wirewound, Part Number=RLS-126
L3: Digikey Part Number=495-4598-1-ND, Manufacturer="EPCOS (TDK)", Rated Current=150mA, Impedance="5.8 kOhms @ 10MHz", Material=Wirewound, Part Number=B82787C0104H002
P1 P2 P4 P5 P6 P7: library part B16B-PHDSS, Angle=0, Contact=Tin, Flange=No, Part Number=B16B-PHDSS, Pitch=2.00mm, Positions=16, Row Spacing=2.00mm
P3: library part CMP-CONN-0004-1, "6-Pin Molex Mini-Fit Connector Header 6 pin mini fit"
P8: library part "SMD 1.27mm Header 2x5 (3221-10-0300-00)", Angle=0, Contact=NA, Flange=No, Part Number="SMD 1.27mm Header 2x5 (3221-10-0300-00)", Pitch=1.27mm, Positions=10, Row Spacing=1.27mm
P9: library part "TH 2.54mm Header 1x4", Angle=0, Contact=NA, Flange=No, Part Number="TH 2.54mm Header 1x4", Pitch=2.54mm, Positions=4, Row Spacing=2.54mm
P10: library part "TH 2.54mm Header 1x3", Angle=0, Contact=NA, Flange=No, Part Number="TH 2.54mm Header 1x3", Pitch=2.54mm, Positions=3, Row Spacing=2.54mm
R1: library part RC0603FR-072KL, Digikey Part Number=311-2.00KHRCT-ND, Manufacturer=YAGEO, Rated Power=0.1W, Tolerance=0.01, Material=FR-07, Part Number=RC0603FR-072KL
R2 R3 R4: library part RC0603FR-0710RL, Digikey Part Number=311-10.0HRCT-ND, Manufacturer=YAGEO, Rated Power=0.1W, Tolerance=0.01, Material=FR-07, Part Number=RC0603FR-0710RL
R6_TB1 R6_TB2 R6_TB3 R6_TB4 R6_TB5 R6_TB6 R7_TB1 R7_TB2 R7_TB3 R7_TB4 R7_TB5 R7_TB6 R10_TB1 R10_TB2 R10_TB3 R10_TB4 R10_TB5 R10_TB6 R11_TB1 R11_TB2 R11_TB3 R11_TB4 R11_TB5 R11_TB6 R14_TB1 R14_TB2 R14_TB3 R14_TB4 R14_TB5 R14_TB6 R15_TB1 R15_TB2 R15_TB3 R15_TB4 R15_TB5 R15_TB6 R18_TB1 R18_TB2 R18_TB3 R18_TB4 R18_TB5 R18_TB6 R19_TB1 R19_TB2 R19_TB3 R19_TB4 R19_TB5 R19_TB6: library part RC0603JR-13680RL, Digikey Part Number=13-RC0603JR-13680RLCT-ND, Manufacturer=YAGEO, Rated Power=0.1W, Tolerance=0.01, Material=FR-07, Part Number=RC0603JR-13680RL
R8_TB1 R8_TB2 R8_TB3 R8_TB4 R8_TB5 R8_TB6 R9_TB1 R9_TB2 R9_TB3 R9_TB4 R9_TB5 R9_TB6 R12_TB1 R12_TB2 R12_TB3 R12_TB4 R12_TB5 R12_TB6 R13_TB1 R13_TB2 R13_TB3 R13_TB4 R13_TB5 R13_TB6 R16_TB1 R16_TB2 R16_TB3 R16_TB4 R16_TB5 R16_TB6 R17_TB1 R17_TB2 R17_TB3 R17_TB4 R17_TB5 R17_TB6 R20_TB1 R20_TB2 R20_TB3 R20_TB4 R20_TB5 R20_TB6 R21_TB1 R21_TB2 R21_TB3 R21_TB4 R21_TB5 R21_TB6: library part RC0603FR-071KL, Digikey Part Number=311-1.00KHRCT-ND, Manufacturer=YAGEO, Rated Power=0.1W, Tolerance=0.01, Material=FR-07, Part Number=RC0603FR-071KL
R22_TB1 R22_TB2 R22_TB3 R22_TB4 R22_TB5 R22_TB6: library part RC0603JR-071K2L, Digikey Part Number=311-1.2KGRCT-ND, Manufacturer=YAGEO, Rated Power=0.1W, Tolerance=0.01, Material=FR-07, Part Number=RC0603JR-071K2L
R23 R25: library part RC0805FR0756RL, Digikey Part Number=311-56.0CRCT-ND, Manufacturer=YAGEO, Rated Power=0.125W, Tolerance=0.01, Material=FR-07, Part Number=RC0805FR0756RL
R24: library part RC0805FR070RL, Digikey Part Number=311-0.0CRCT-ND, Manufacturer=YAGEO, Rated Power=0.125W, Tolerance=0.01, Material=FR-07, Part Number=RC0805FR070RL
R26: library part RT0603BRD07500RL, Digikey Part Number=13-RT0603BRD07500RL-ND, Manufacturer=YAGEO, Rated Power=0.1W, Tolerance=0.01, Material=FR-07, Part Number=RT0603BRD07500RL
R29 R30: library part RC0805FR075K1L, Digikey Part Number=311-5.10KCRCT-ND, Manufacturer=YAGEO, Rated Power=0.125W, Tolerance=0.01, Material=FR-07, Part Number=RC0805FR075K1L
R31 R32: library part RC0603FR-0710KL, Digikey Part Number=311-10.0KHRCT-ND, Manufacturer=YAGEO, Rated Power=0.1W, Tolerance=0.01, Material=FR-07, Part Number=RC0603FR-0710KL
U1: Digikey Part Number=732-1489-1-ND, Manufacturer="Wurth Electronics Inc", Rated Current="2.5 A", Impedance="460 Ohms @ 30MHz", Material=Wirewound, Part Number=744272121
U2: "Power Supply", Manufacturer_Name="Mean Well", Mouser Part Number=709-SPBW06F-03, Arrow Part Number=SPBW06F-03, Arrow Price/Stock=https://www.arrow.com/en/products/spbw06f-03/mean-well-enterprises?region=nac, Datasheet Link=https://www.arrow.com/en/products/spbw06f-03/mean-well-enterprises, Height=11.1mm, Manufacturer_Part_Number=SPBW06F-03, Mouser Price/Stock=https://www.mouser.co.uk/ProductDetail/MEAN-WELL/SPBW06F-03?qs=5aG0NVq1C4z4PI70qr7ycg%3D%3D
U3: "IC REG LINEAR 3.3V 200MA SOT23-5", Digikey Part Number=296-27780-1-ND, Input Voltage="2 to 5.5 V", Manufacturer="Texas Instruments", Output Current="0.2 A", Output Voltage="3.3 V", Part Number=TLV70033-Q1
U4_TB1 U4_TB2 U4_TB3 U4_TB4 U4_TB5 U4_TB6: "Quad Channel 2.5kV Digital Isolator with isoPower", Manufacturer="Analogue Devices", Part Number=ADUM5401
U5_TB1 U5_TB2 U5_TB3 U5_TB4 U5_TB5 U5_TB6: library part ADS7028IRTER, "IC ADC 12BIT SAR 16WQFN", Manufacturer="Texas Instruments", Digikey Link=https://www.digikey.com.au/en/products/detail/texas-instruments/ADS7028IRTER/12696020?s=N4IgTCBcDaIIIBEDKB2ADGAHASQEoBUBRXEAXQF8g, Digikey Part Number=ADS7028IRTER, Part Number=ADS7028IRTER
U6: "Isolated CAN Transceiver", Digikey Part Number=ADM3053BRWZ-ND, Manufacturer="Analogue Devices", Digikey Link=https://www.digikey.com/product-detail/en/analog-devices-inc/ADM3053BRWZ/ADM3053BRWZ-ND/2709332, Part Number=ADM3053
U7: "ARM® Cortex®-M3 STM32F1 Microcontroller IC 32-Bit 72MHz 64KB (64K x 8) FLASH QFN", Manufacturer="ST Microelectronics", Digikey Link=https://www.digikey.com/en/products/detail/stmicroelectronics/stm32f103t8u6/1852493, Digikey Part Number=STM32F103T8U6, Part Number=STM32F103T8U6

## Free pads (board coordinates)
  round 0 hole 169.29 unplated: 1(1051.18,-1670.28) 1(4275.59,-147.64) 1(4544.29,-1670.28)
  rect 244.09x1062.99 smd far side: 9(125,-540)
  rect 244.09x1062.99 smd: 9(125,-540)

## Via types
v1: diameter 21.65, hole 9.84, Top Layer to Bottom Layer, 527 vias
v2: diameter 157.48, hole 125.98, Top Layer to Bottom Layer, 2 vias

## Nets (pads, with @x,y where several pads share a name; then routed paths per layer and width w, separated by ;. In a path a pad name is that pad's centre, name@x,y a point inside that pad or via, vN(x,y) a via of type N, cw(c..) or ccw(c..) an arc to the next point about the centre after c; other vN are vias at no path point)
0V: C1.1 C2.1 C7.1 R1.1 U1.3 U2.1
  other v1: 740,-780 880,-780 610,-735 682.28,-720.43 1255,-585 1380,-585 1510,-585 918.5,-562.95 1680,-505 1825,-505 1985,-505 2180,-505 682.28,-405.47 2099.61,-405.47 2180,-380 1390.94,-247.99 1863.39,-247.99 2180,-220 367.32,-90.51 524.8,-90.51 682.28,-90.51 1627.17,-90.51 1942.13,-90.51 490,-35 715,-35 950,-35 1190,-35 1435,-35 1660,-35 1885,-35 2120,-35 2180,-35
"0V (TMP)": 